# Altium PCB volt_sensor.PcbDoc (part 2 of 2)
Units mil, origin at the board's own origin, x right, y up, seen from the top; angles counter-clockwise.
Board outline 10000 x 5000 mil, 2 copper layers (Top Layer, Bottom Layer); 198 components, 109 nets, 532 pads, 65 vias.
Unrouted connection lines stored in the file: 125.
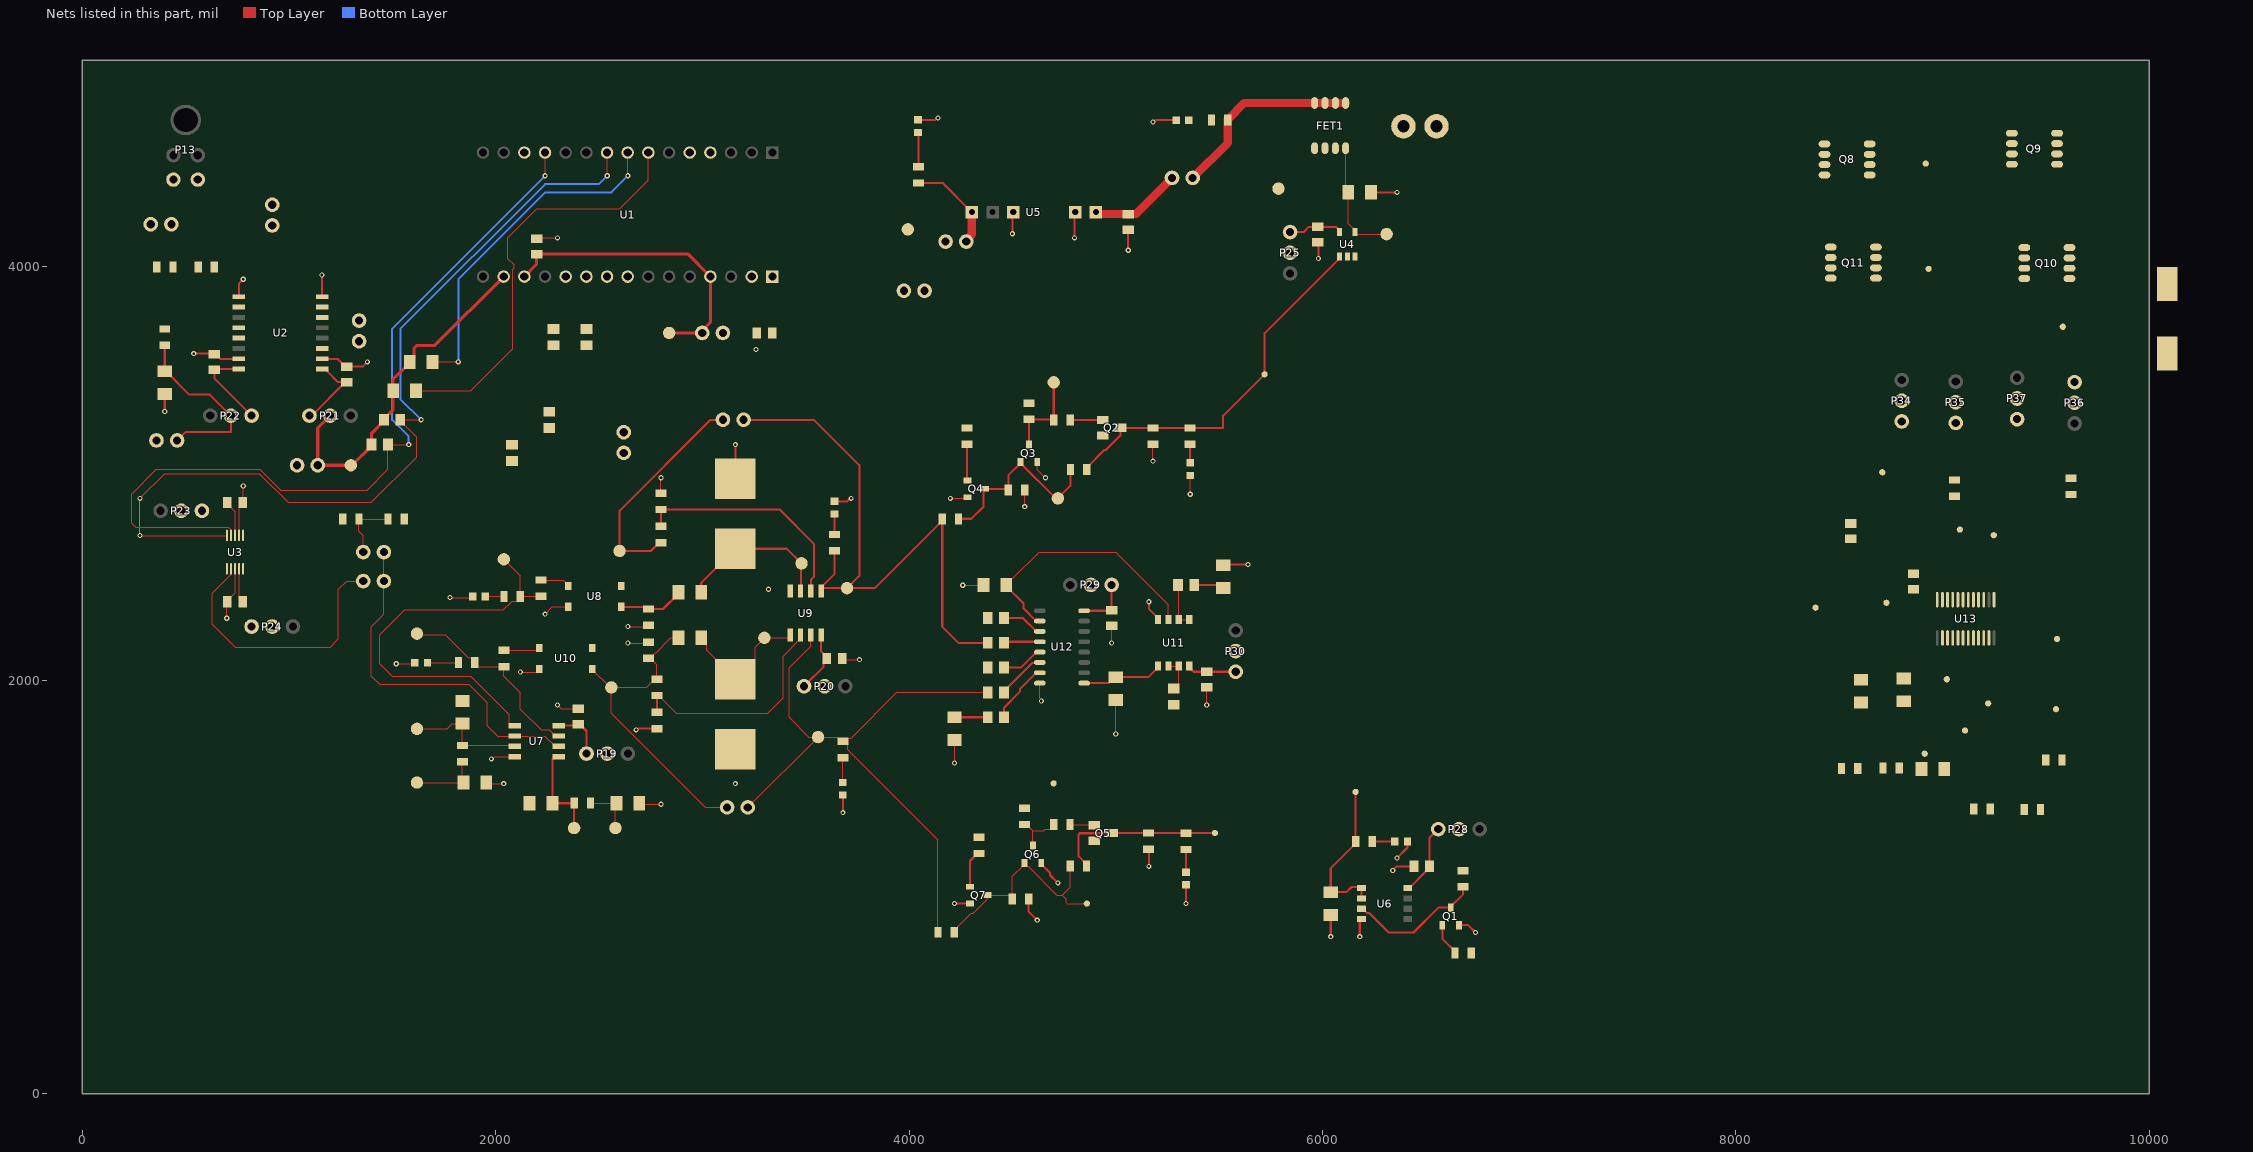
[diagram p2: the nets of this part, all layers, seen from the top]

## Part data (continued)
R37 R43 R47 R52: library part CMP-009-01343-1, "RES SMD 36K OHM 1% 1/8W 0805", Digi-Key Part Number=P36.0KCCT-ND, Manufacturer="Panasonic Electronic Components", Operating Temperature="-55°C ~ 155°C", Package / Case="0805 (2012 Metric)", Power (Watts)="0.125W, 1/8W", Supplier Device Package=0805, Temperature Coefficient=±100ppm/°C, Tolerance=1%, @ qty=1500, Composition="Thick Film", Datasheets=http://industrial.panasonic.com/www-cgi/jvcr13pz.cgi?E+PZ+3+AOA0002+ERJ6ENF3602V+7+WW, Design Item ID=ERJ-6ENF3602V, Factory Stock=0, Failure Rate=-, Features="Automotive AEC-Q200", Height - Seated (Max)="0.028\" (0.70mm)", Image=//media.digikey.com/Renders/Panasonic%20Renders/ERJ-0805%20Pkg.jpg, Minimum Quantity=1, Number of Terminations=2, Packaging="Cut Tape (CT)", Part Number=ERJ-6ENF3602V, Part Status=Active, Quantity Available=42552, Series=ERJ, Size / Dimension="0.079\" L x 0.049\" W (2.00mm x 1.25mm)", Source=resistors.SchLib, Unit Price (USD)=0.00729
R65 R70: library part ERJ-6GEYJ100V, "RES SMD 10 OHM 5% 1/8W 0805", Digi-Key Part Number=P10ACT-ND, Manufacturer="Panasonic Electronic Components", Operating Temperature="-55°C ~ 155°C", Package / Case="0805 (2012 Metric)", Power (Watts)="0.125W, 1/8W", Supplier Device Package=0805, Temperature Coefficient=±200ppm/°C, Tolerance=±5%, @ qty=1500, Composition="Thick Film", Datasheets=http://industrial.panasonic.com/www-cgi/jvcr13pz.cgi?E+PZ+3+AOA0001+ERJ6GEYJ100V+7+WW, Factory Stock=0, Failure Rate=-, Features="Automotive AEC-Q200", Height - Seated (Max)="0.028\" (0.70mm)", Image=//media.digikey.com/Renders/Panasonic%20Renders/ERJ-0805%20Pkg.jpg, Minimum Quantity=1, Number of Terminations=2, Packaging="Cut Tape (CT)", Part Number=ERJ-6GEYJ100V, Part Status=Active, Quantity Available=282033, Series=ERJ, Size / Dimension="0.079\" L x 0.049\" W (2.00mm x 1.25mm)", Unit Price (USD)=0.00496
R71 R74: library part CRCW08051M00FKEAC, "RES 1M OHM 1% 1/8W 0805", Manufacturer=Vishay, Max Operating Temperature=155°C, Min Operating Temperature=-55°C, Package Height=0.5mm, Package Length=2mm, Package Style=SMTMeter, Package Width=1.25mm, Rated Power Dissipation (P)=125mW, Resistor Type="FIXED RESISTOR", Supplier Part Number 1=541-4135-1-ND, Temperature Coefficient=-100100ppm/°C, Tolerance=1%, Working Voltage=150V, Category="Chip SMD Resistors", ComponentLink1Description=https://datasheet.ciiva.com:443/pdfs/VipMasterIC/IC/VISH/VISH-S-A0003599164/VISH-S-A0003599164-1.pdf?src-supplier=IHS+Markit, ComponentLink1URL=https://datasheet.ciiva.com:443/pdfs/VipMasterIC/IC/VISH/VISH-S-A0003599164/VISH-S-A0003599164-1.pdf?src-supplier=IHS+Markit, ComponentLink2Description=http://www.vishay.com/docs/28773/crcwce3.pdf?src-supplier=Digi-Key, ComponentLink2URL=http://www.vishay.com/docs/28773/crcwce3.pdf?src-supplier=Digi-Key, ComponentLink3Description=http://www.vishay.com/docs/20035/dcrcwe3.pdf?src-supplier=Avnet, ComponentLink3URL=http://www.vishay.com/docs/20035/dcrcwe3.pdf?src-supplier=Avnet, Construction=Chip, JESD-609 Code=e3, Manufacturer Part Number=CRCW08051M00FKEAC, Number of Pins=2, Packaging="Tape and Reel", Pricing 1="1=0.10000, 10=0.06300, 100=0.02540, 1000=0.01143, 2500=0.00992 (USD)", REACH SVHC=Yes, Resistance=1MR, RoHS=Yes, RoHS Compliant=Yes, Size Code=0805, Stock 1=15539, Supplier 1=Digi-Key, Technology="METAL GLAZE/THICK FILM", Terminal Finish=Nickel
R72: library part CRCW080537K4FKEA, "RES SMD 37.4K OHM 1% 1/8W 0805", Manufacturer=Vishay, Max Operating Temperature=155°C, Min Operating Temperature=-55°C, Package Height=0.45mm, Package Length=2mm, Package Shape=Rectangular, Package Style=SMTMeter, Package Width=1.25mm, Rated Power Dissipation (P)=125mW, Rated Temperature=70°C, Resistor Type="FIXED RESISTOR", Supplier Part Number 1=541-37.4KCCT-ND, Temperature Coefficient=100ppm/°C, Tolerance=1%, Working Voltage=150V, Category="Chip SMD Resistors", ComponentLink1Description=https://datasheet.ciiva.com:443/pdfs/VipMasterIC/IC/VISH/VISH-S-A0007266705/VISH-S-A0007266705-1.pdf?src-supplier=IHS+Markit, ComponentLink1URL=https://datasheet.ciiva.com:443/pdfs/VipMasterIC/IC/VISH/VISH-S-A0007266705/VISH-S-A0007266705-1.pdf?src-supplier=IHS+Markit, ComponentLink2Description=https://datasheet.ciiva.com/9012/dcrcwe3-9012831.pdf?src-supplier=Avnet, ComponentLink2URL=https://datasheet.ciiva.com/9012/dcrcwe3-9012831.pdf?src-supplier=Avnet, ComponentLink3Description=https://datasheet.ciiva.com/7725/66915-7725943.pdf?src-supplier=Element14, ComponentLink3URL=https://datasheet.ciiva.com/7725/66915-7725943.pdf?src-supplier=Element14, ComponentLink4Description=https://datasheet.ciiva.com/22705/1697337-22705877.pdf?src-supplier=Element14, ComponentLink4URL=https://datasheet.ciiva.com/22705/1697337-22705877.pdf?src-supplier=Element14, ComponentLink5Description=https://datasheet.ciiva.com/22674/1912744-22674621.pdf?src-supplier=Element14, ComponentLink5URL=https://datasheet.ciiva.com/22674/1912744-22674621.pdf?src-supplier=Element14, ComponentLink6Description=https://datasheet.ciiva.com/7671/1697337-7671694.pdf?src-supplier=Element14, ComponentLink6URL=https://datasheet.ciiva.com/7671/1697337-7671694.pdf?src-supplier=Element14, ComponentLink7Description=https://datasheet.ciiva.com/7671/1697337-7671695.pdf?src-supplier=Element14, ComponentLink7URL=https://datasheet.ciiva.com/7671/1697337-7671695.pdf?src-supplier=Element14, ComponentLink8Description=https://datasheet.ciiva.com/16395/dcrcwe3-16395353.pdf?src-supplier=Future+Electronics, ComponentLink8URL=https://datasheet.ciiva.com/16395/dcrcwe3-16395353.pdf?src-supplier=Future+Electronics, ComponentLink9Description=https://datasheet.ciiva.com/2525/dcrcwe3-2525821.pdf?src-supplier=Digi-Key, ComponentLink9URL=https://datasheet.ciiva.com/2525/dcrcwe3-2525821.pdf?src-supplier=Digi-Key, ComponentLink10Description=https://datasheet.ciiva.com/2525/dcrcwe3-2525822.pdf?src-supplier=Digi-Key, ComponentLink10URL=https://datasheet.ciiva.com/2525/dcrcwe3-2525822.pdf?src-supplier=Digi-Key, ComponentLink11Description=https://datasheet.ciiva.com/2525/dcrcwe3-2525823.pdf?src-supplier=Digi-Key, ComponentLink11URL=https://datasheet.ciiva.com/2525/dcrcwe3-2525823.pdf?src-supplier=Digi-Key, Construction=Chip, JESD-609 Code=e3, Manufacturer Part Number=CRCW080537K4FKEA, Mount="Surface Mount", Number of Pins=2, Packaging="Tape and Reel", Pricing 1="1=0.10000, 10=0.06700, 100=0.02710, 1000=0.01219, 2500=0.01058 (USD)", REACH SVHC=Yes, Reference Standard=AEC-Q200, Resistance=37.4kR, RoHS=Yes, RoHS Compliant=Yes, Size Code=0805, Stock 1=12211, Supplier 1=Digi-Key, Technology="METAL GLAZE/THICK FILM", Terminal Finish=Nickel, Termination=Wraparound
R73: library part ERJ-8ENF7322V, "RES SMD 73.2K OHM 1% 1/4W 1206", Digi-Key Part Number=P73.2KFCT-ND, Manufacturer="Panasonic Electronic Components", Operating Temperature="-55°C ~ 155°C", Package / Case="1206 (3216 Metric)", Power (Watts)="0.25W, 1/4W", Supplier Device Package=1206, Temperature Coefficient=±100ppm/°C, Tolerance=±1%, @ qty=1500, Composition="Thick Film", Datasheets=http://industrial.panasonic.com/www-cgi/jvcr13pz.cgi?E+PZ+3+AOA0002+ERJ8ENF7322V+7+WW, Factory Stock=0, Failure Rate=-, Features="Automotive AEC-Q200", Height - Seated (Max)="0.028\" (0.70mm)", Image=//media.digikey.com/Renders/Panasonic%20Renders/ERJ-1206%20Pkg.jpg, Minimum Quantity=1, Number of Terminations=2, Packaging="Cut Tape (CT)", Part Number=ERJ-8ENF7322V, Part Status=Active, Quantity Available=19226, Series=ERJ, Size / Dimension="0.126\" L x 0.063\" W (3.20mm x 1.60mm)", Unit Price (USD)=0.00933
R75: library part TNPW080514K2BEEA, "RES 14.2K OHM 0.1% 1/5W 0805", Manufacturer=Vishay, Max Operating Temperature=125°C, Min Operating Temperature=-55°C, Package Height=0.45mm, Package Length=2mm, Package Style=SMTMeter, Package Width=1.25mm, Rated Power Dissipation (P)=125mW, Rated Temperature=70°C, Resistor Type="FIXED RESISTOR", Supplier Part Number 1=71-TNPW080514K2BEEA, Temperature Coefficient=25ppm/°C, Tolerance=0.1%, Working Voltage=150V, Category="Chip SMD Resistors", ComponentLink1Description=https://datasheet.ciiva.com:443/pdfs/VipMasterIC/IC/VISH/VISH-S-A0002290253/VISH-S-A0002290253-1.pdf?src-supplier=IHS+Markit, ComponentLink1URL=https://datasheet.ciiva.com:443/pdfs/VipMasterIC/IC/VISH/VISH-S-A0002290253/VISH-S-A0002290253-1.pdf?src-supplier=IHS+Markit, ComponentLink2Description=http://www.mouser.com/ds/2/427/tnpw_e3-64594.pdf?src-supplier=Mouser, ComponentLink2URL=http://www.mouser.com/ds/2/427/tnpw_e3-64594.pdf?src-supplier=Mouser, ComponentLink3Description=http://www.vishay.com/docs/28758/tnpw_e3.pdf?src-supplier=Avnet, ComponentLink3URL=http://www.vishay.com/docs/28758/tnpw_e3.pdf?src-supplier=Avnet, ComponentLink4Description=http://www.vishay.com/docs/28758/tnpw_e3.pdf?src-supplier=Digi-Key, ComponentLink4URL=http://www.vishay.com/docs/28758/tnpw_e3.pdf?src-supplier=Digi-Key, ComponentLink5Description=http://www.vishay.com/docs/28758/tnpw_e3.pdf?src-supplier=Future+Electronics, ComponentLink5URL=http://www.vishay.com/docs/28758/tnpw_e3.pdf?src-supplier=Future+Electronics, Construction=Chip, Manufacturer Part Number=TNPW080514K2BEEA, Mount="Surface Mount", Number of Pins=2, Packaging="Tape and Reel", Pricing 1="1=0.75000, 10=0.54900, 50=0.54900, 100=0.35000, 1000=0.22100, 10000=0.21500 (USD)", REACH SVHC=Yes, Reference Standard=AEC-Q200, Resistance=14.2kR, RoHS=Yes, RoHS Compliant=Yes, Size Code=0805, Stock 1=1469, Supplier 1=Mouser, Technology="THIN FILM", Terminal Finish=Nickel, Termination=Wraparound
R76: library part ERJ-8ENF3301V, "RES SMD 3.3K OHM 1% 1/4W 1206", Digi-Key Part Number=P3.30KFCT-ND, Manufacturer="Panasonic Electronic Components", Operating Temperature="-55°C ~ 155°C", Package / Case="1206 (3216 Metric)", Power (Watts)="0.25W, 1/4W", Supplier Device Package=1206, Temperature Coefficient=±100ppm/°C, Tolerance=±1%, @ qty=1500, Composition="Thick Film", Datasheets=http://industrial.panasonic.com/www-cgi/jvcr13pz.cgi?E+PZ+3+AOA0002+ERJ8ENF3301V+7+WW, Factory Stock=0, Failure Rate=-, Features="Automotive AEC-Q200", Height - Seated (Max)="0.028\" (0.70mm)", Image=//media.digikey.com/Renders/Panasonic%20Renders/ERJ-1206%20Pkg.jpg, Minimum Quantity=1, Number of Terminations=2, Packaging="Cut Tape (CT)", Part Number=ERJ-8ENF3301V, Part Status=Active, Quantity Available=48879, Series=ERJ, Size / Dimension="0.126\" L x 0.063\" W (3.20mm x 1.60mm)", Unit Price (USD)=0.00933
R77: library part ERJ-8ENF2553V, "RES SMD 255K OHM 1% 1/4W 1206", Digi-Key Part Number=P255KFCT-ND, Manufacturer="Panasonic Electronic Components", Operating Temperature="-55°C ~ 155°C", Package / Case="1206 (3216 Metric)", Power (Watts)="0.25W, 1/4W", Supplier Device Package=1206, Temperature Coefficient=±100ppm/°C, Tolerance=±1%, @ qty=1500, Composition="Thick Film", Datasheets=http://industrial.panasonic.com/www-cgi/jvcr13pz.cgi?E+PZ+3+AOA0002+ERJ8ENF2553V+7+WW, Factory Stock=0, Failure Rate=-, Features="Automotive AEC-Q200", Height - Seated (Max)="0.028\" (0.70mm)", Image=//media.digikey.com/Renders/Panasonic%20Renders/ERJ-1206%20Pkg.jpg, Minimum Quantity=1, Number of Terminations=2, Packaging="Cut Tape (CT)", Part Number=ERJ-8ENF2553V, Part Status=Active, Quantity Available=49543, Series=ERJ, Size / Dimension="0.126\" L x 0.063\" W (3.20mm x 1.60mm)", Unit Price (USD)=0.00933
R78: library part ERJ-6ENF8062V, "RES SMD 80.6K OHM 1% 1/8W 0805", Digi-Key Part Number=P80.6KCCT-ND, Manufacturer="Panasonic Electronic Components", Operating Temperature="-55°C ~ 155°C", Package / Case="0805 (2012 Metric)", Power (Watts)="0.125W, 1/8W", Supplier Device Package=0805, Temperature Coefficient=±100ppm/°C, Tolerance=±1%, @ qty=1500, Composition="Thick Film", Datasheets=http://industrial.panasonic.com/www-cgi/jvcr13pz.cgi?E+PZ+3+AOA0002+ERJ6ENF8062V+7+WW, Factory Stock=0, Failure Rate=-, Features="Automotive AEC-Q200", Height - Seated (Max)="0.028\" (0.70mm)", Image=//media.digikey.com/Renders/Panasonic%20Renders/ERJ-0805%20Pkg.jpg, Minimum Quantity=1, Number of Terminations=2, Packaging="Cut Tape (CT)", Part Number=ERJ-6ENF8062V, Part Status=Active, Quantity Available=48051, Series=ERJ, Size / Dimension="0.079\" L x 0.049\" W (2.00mm x 1.25mm)", Unit Price (USD)=0.00729
TP4 TP5 TP6 TP7 TP8 TP9 TP11 TP12 TP13 TP14 TP15 TP16 TP17 TP18 TP19 TP20 TP21 TP22 TP23 TP24 TP25 TP26 TP27 TP28: library part CMP-039-000000-1, "SMD TEST POINT", Design Item ID=TP, Source=misc.SchLib
TP30 TP31 TP32 TP34 TP35 TP36 TP37 TP38 TP39 TP40 TP41 TP42 TP43 TP44: "SMD TEST POINT"
U1: library part CMP-020-000017-1, "BOARD NUCLEO STM32F303K8T6", Manufacturer=STMicroelectronics, ComponentLink1Description=http://www.farnell.com/datasheets/2064195.pdf?src-supplier=Farnell, ComponentLink1URL=http://www.farnell.com/datasheets/2064195.pdf?src-supplier=Farnell, ComponentLink2Description=http://www.st.com/content/ccc/resource/technical/document/data_brief/b1/d8/13/d4/b0/b7/4b/6e/DM00214578.pdf/files/DM00214578.pdf/jcr:content/translations/en.DM00214578.pdf?src-supplier=Digi-Key, ComponentLink2URL=http://www.st.com/content/ccc/resource/technical/document/data_brief/b1/d8/13/d4/b0/b7/4b/6e/DM00214578.pdf/files/DM00214578.pdf/jcr:content/translations/en.DM00214578.pdf?src-supplier=Digi-Key, ComponentLink3Description=http://www.farnell.com/datasheets/1966773.pdf?src-supplier=Element14, ComponentLink3URL=http://www.farnell.com/datasheets/1966773.pdf?src-supplier=Element14, ComponentLink4Description=http://www.farnell.com/datasheets/2064195.pdf?src-supplier=Newark, ComponentLink4URL=http://www.farnell.com/datasheets/2064195.pdf?src-supplier=Newark, ComponentLink5Description=http://www.st.com/st-web-ui/static/active/en/resource/technical/document/user_manual/DM00116575.pdf?s_searchtype=keyword&src-supplier=Avnet+Asia, ComponentLink5URL=http://www.st.com/st-web-ui/static/active/en/resource/technical/document/user_manual/DM00116575.pdf?s_searchtype=keyword&src-supplier=Avnet+Asia, ComponentLink6Description=http://www.st.com/st-web-ui/static/active/en/resource/technical/document/user_manual/DM00116575.pdf?s_searchtype=keyword&src-supplier=Avnet, ComponentLink6URL=http://www.st.com/st-web-ui/static/active/en/resource/technical/document/user_manual/DM00116575.pdf?s_searchtype=keyword&src-supplier=Avnet, ComponentLink7Description=http://www.farnell.com/datasheets/2064195.pdf?src-supplier=Element14, ComponentLink7URL=http://www.farnell.com/datasheets/2064195.pdf?src-supplier=Element14, Core Architecture=ARM, Design Item ID=NUCLEO-L432KC, Evaluation Kit=Yes, Lead Free="Lead Free", Manufacturer Part Number=NUCLEO-L432KC, Number of Bits=32, PartId=1, Pricing 1="1=10.99000 (USD)", Pricing 2="1=12.40000 (USD)", REACH SVHC="No SVHC", RoHS=Yes, Source=ic.SchLib, Stock 1=171, Stock 2=56
U2: library part CMP-031-00010-1, "IC TXRX/ISO HALF 1/1 16SOIC", Manufacturer="Texas Instruments", Max Operating Temperature=105°C, Min Operating Temperature=-55°C, Package Body Material=Plastic, Package Code=SOP, Package Shape=Rectangular, Package Style="SMALL OUTLINEMeter", Peak Reflow Temperature (Cel)=260°C, Supply Voltage-Nom=5V, Temperature Grade=OTHER, Category="Interface ICs", ComponentLink1Description=https://www.ti.com:443/lit/ds/symlink/iso1050.pdf?src-supplier=IHS+Markit, ComponentLink1URL=https://www.ti.com:443/lit/ds/symlink/iso1050.pdf?src-supplier=IHS+Markit, ComponentLink2Description=https://datasheet.ciiva.com/4782/slls983e-121851-4782209.pdf?src-supplier=Mouser, ComponentLink2URL=https://datasheet.ciiva.com/4782/slls983e-121851-4782209.pdf?src-supplier=Mouser, ComponentLink3Description=https://datasheet.ciiva.com/26913/getdatasheetpartid-573378-26913111.pdf?src-supplier=Verical, ComponentLink3URL=https://datasheet.ciiva.com/26913/getdatasheetpartid-573378-26913111.pdf?src-supplier=Verical, Design Item ID=ISO1050DWR, Height - Seated (Max)=2.65mm, JESD-30 Code=R-PDSO-G16, JESD-609 Code=e4, Length=10.3mm, Manufacturer Part Number=ISO1050DWR, Moisture Sensitivity Level=2, Number of Functions=1, Pins=16, Pricing 1="1=6.50000, 10=5.84000, 25=5.52000, 50=5.52000, 100=4.79000, 1000=3.56000, 10000=3.56000 (USD)", Qualification Status="Not Qualified", REACH SVHC=Yes, RoHS=Yes, RoHS Compliant=Yes, Source=ic.SchLib, Surface Mount=Yes, Telecom IC Type="INTERFACE CIRCUIT", Terminal Finish=Nickel, Terminal Form="Gull Wing", Terminal Pitch=1.27mm, Terminal Position=DUAL, Width=7.5mm
U3: library part CMP-008-000013-1, "Digital Potentiometer, 1 Func, 10000ohm, 2-wire Serial Control Interface, 128 Positions, PDSO10"
U4: library part CMP-017-000001-1, "AND Gate, 4000/14000/40000 Series, 1-Func, 2-Input, CMOS, PDSO5", Load Capacitance (CL)=50pF, Manufacturer=Rohm, Max Operating Temperature=85°C, Min Operating Temperature=-40°C, Package Body Material=Plastic, Package Code=LSSOP, Package Equivalence Code=TSOP5/6,.11,37, Package Shape=Rectangular, Package Style="SMALL OUTLINE, LOW PROFILE, SHRINK PITCHMeter", Power Supplies=3/16V, Supply Voltage-Max (Vsup)=16V, Supply Voltage-Min (Vsup)=3V, Supply Voltage-Nom (Vsup)=5V, Temperature Grade=INDUSTRIAL, Category="Logic Gates", ComponentLink1Description=https://datasheet.ciiva.com:443/pdfs/VipMasterIC/IC/ROHM/ROHM-S-A0001749750/ROHM-S-A0001749750-1.pdf?src-supplier=IHS+Markit, ComponentLink1URL=https://datasheet.ciiva.com:443/pdfs/VipMasterIC/IC/ROHM/ROHM-S-A0001749750/ROHM-S-A0001749750-1.pdf?src-supplier=IHS+Markit, ComponentLink2Description=https://datasheet.ciiva.com/12254/bu4s81g2-e-209681-12254411.pdf?src-supplier=Mouser, ComponentLink2URL=https://datasheet.ciiva.com/12254/bu4s81g2-e-209681-12254411.pdf?src-supplier=Mouser, ComponentLink3Description=https://datasheet.ciiva.com/1508/bu4s81g2-e-1508101.pdf?src-supplier=Element14, ComponentLink3URL=https://datasheet.ciiva.com/1508/bu4s81g2-e-1508101.pdf?src-supplier=Element14, ComponentLink4Description=https://datasheet.ciiva.com/1508/bu4s81g2-e-1508102.pdf?src-supplier=Element14, ComponentLink4URL=https://datasheet.ciiva.com/1508/bu4s81g2-e-1508102.pdf?src-supplier=Element14, ComponentLink5Description=https://datasheet.ciiva.com/8274/bu4s01g2-e-8274597.pdf?src-supplier=Avnet, ComponentLink5URL=https://datasheet.ciiva.com/8274/bu4s01g2-e-8274597.pdf?src-supplier=Avnet, ComponentLink6Description=https://datasheet.ciiva.com/6619/bu4s01g2-e-6619800.pdf?src-supplier=Digi-Key, ComponentLink6URL=https://datasheet.ciiva.com/6619/bu4s01g2-e-6619800.pdf?src-supplier=Digi-Key, ComponentLink7Description=https://datasheet.ciiva.com/6619/bu4s01g2-e-6619813.pdf?src-supplier=Digi-Key, ComponentLink7URL=https://datasheet.ciiva.com/6619/bu4s01g2-e-6619813.pdf?src-supplier=Digi-Key, ComponentLink8Description=https://datasheet.ciiva.com/6619/bu4s01g2-e-6619814.pdf?src-supplier=Digi-Key, ComponentLink8URL=https://datasheet.ciiva.com/6619/bu4s01g2-e-6619814.pdf?src-supplier=Digi-Key, ComponentLink9Description=https://datasheet.ciiva.com/16678/bu4s01g2-e-16678569.pdf?src-supplier=Avnet+Europe, ComponentLink9URL=https://datasheet.ciiva.com/16678/bu4s01g2-e-16678569.pdf?src-supplier=Avnet+Europe, Design Item ID=BU4S81G2-TR, Height - Seated (Max)=1.25mm, JESD-30 Code=R-PDSO-G5, Length=2.9mm, Logic IC Type="AND GATE", Manufacturer Part Number=BU4S81G2-TR, Moisture Sensitivity Level=1, Number of Functions=1, Number of Inputs=2, Number of Pins=5, Packaging="Tape and Reel", Pricing 1="1=0.90000, 10=0.79200, 25=0.74400, 100=0.60720, 250=0.56396, 500=0.47996, 1000=0.38397 (USD)", Qualification Status="Not Qualified", REACH SVHC=Yes, RoHS=Yes, RoHS Compliant=Yes, Schmitt Trigger=No, Source=ic.SchLib, Stock 1=2698, Surface Mount=Yes, Technology=CMOS, Terminal Form="Gull Wing", Terminal Pitch=0.95mm, Terminal Position=DUAL, Width=1.6mm
U5: library part CMP-008-000009-3, "DC-DC Regulated Power Supply Module, 1 Output, 1W, Hybrid"
U6 U11: library part CMP-008-000011-2, "Operational Amplifier"
U7 U9: library part CMP-014-00006-1, "IC OPAMP JFET 3MHZ 8SOIC", Case/Package=D, Dual Supply Voltage=9V, Input Bias Current=200pA, Input Offset Voltage (Vos)=10mV, Manufacturer="Texas Instruments", Max Operating Temperature=85°C, Max Supply Voltage=18V, Min Operating Temperature=-40°C, Min Supply Voltage=3.5V, Nominal Supply Current=5mA, Operating Supply Current=1.4mA, Package Quantity=1, Voltage Gain=106.02dB, Bandwidth=3MHz, Common Mode Rejection Ratio=70dB, ComponentLink1Description=http://www.ti.com/lit/ds/symlink/tl071a.pdf?src-supplier=Digi-Key, ComponentLink1URL=http://www.ti.com/lit/ds/symlink/tl071a.pdf?src-supplier=Digi-Key, ComponentLink2Description=http://www.ti.com/general/docs/lit/getliterature.tsp?genericPartNumber=TL072&&fileType=pdf&src-supplier=Avnet, ComponentLink2URL=http://www.ti.com/general/docs/lit/getliterature.tsp?genericPartNumber=TL072&&fileType=pdf&src-supplier=Avnet, ComponentLink3Description=http://www.farnell.com/datasheets/1882732.pdf?src-supplier=Element14, ComponentLink3URL=http://www.farnell.com/datasheets/1882732.pdf?src-supplier=Element14, Contact Plating=Gold, Design Item ID=TL072CDR, Gain Bandwidth Product=3MHz, Height=1.58mm, Lead Free="Lead Free", Length=4.9mm, Manufacturer Part Number=TL072CDR, Max I/O Voltage=10mV, Nominal Gain Bandwidth Product=3MHz, Number of Amplifiers=2, Number of Channels=2, Number of Circuits=2, Number of Elements=2, Packaging="Tape and Reel", PartId=1, Pins=8, Pricing 1="1=0.41, 10=0.334, 100=0.2059, 500=0.1562, 1000=0.11715 (USD)", Radiation Hardening=No, REACH SVHC="No SVHC", Slew Rate=13V/µs, Source=ic.SchLib, Stock 1=21821, Unity Gain Bandwidth Product=3MHz, Width=3.91mm
U8 U10: library part CMP-020-000001-1, "Transistor Output Optocoupler", Manufacturer=Isocom, Category=Optocouplers, ComponentLink1Description=https://datasheet.ciiva.com:443/pdfs/VipMasterIC/IC/ISCL/ISCL-S-A0004892693/ISCL-S-A0004892693-1.pdf?src-supplier=IHS+Markit, ComponentLink1URL=https://datasheet.ciiva.com:443/pdfs/VipMasterIC/IC/ISCL/ISCL-S-A0004892693/ISCL-S-A0004892693-1.pdf?src-supplier=IHS+Markit, ComponentLink2Description=https://datasheet.ciiva.com/7996/90946-7996982.pdf?src-supplier=Element14, ComponentLink2URL=https://datasheet.ciiva.com/7996/90946-7996982.pdf?src-supplier=Element14, Design Item ID=IS181D, Manufacturer Part Number=IS181D, Pricing 1="1=0.59000, 10=0.36000, 100=0.20720, 1000=0.16218 (USD)", RoHS=Yes, RoHS Compliant=Yes, Source=ic.SchLib, Stock 1=15104
U12: library part CMP-008-000015-1, "R-S Latch, 4000/14000/40000 Series, 1-Func, High Level Triggered, 4-Bit, True Output, CMOS, PDSO16"
U13: library part CMP-008-000010-2, "Power Supply Support Circuit, Adjustable, 3 Channel, CMOS, PDSO24"

## Via types
v1: diameter 25, hole 13, Top Layer to Bottom Layer, 65 vias

## Nets (pads, with @x,y where several pads share a name; then routed paths per layer and width w, separated by ;. In a path a pad name is that pad's centre, name@x,y a point inside that pad or via, vN(x,y) a via of type N, cw(c..) or ccw(c..) an arc to the next point about the centre after c; other vN are vias at no path point)
12V_RAW: FET1.1 FET1.2 FET1.3 P6.1 P20.2 P25.2 P28.2 P29.2 P30.2 Q2.2 Q5.2 R10.1 R13.1 R34.2 R40.2 R64.2 TP5.1 U8.4 U10.4
78_MC: R19.1 R24.2 TP11.1 U7.1 | length 2018.5
  Top Layer w6: TP11.1@2040,2585.37 2119.37,2506 R24.2@2119.37,2405.37 ; U7.1@2093.7,1780.37 2075.98,1780.37 2066.19,1790.17 2066.19,1833.81 1880,2020 1500,2020 1440,2080 1440,2220 1560,2340 2037.94,2340 2079.73,2381.8 2104.65,2381.8 2119.37,2396.51 R24.2@2119.37,2405.37 ; R19.1@2220,2406 2219.37,2405.37 R24.2@2119.37,2405.37
78_MC_LV: P17.1 R16.2 R21.1 R22.2 TP13.1 U8.3 | length 1411.9
  Top Layer w10: U8.3@2607.95,2355.37 2729.37,2355.37 R22.2@2740,2344.74 2810.16,2344.74 2884.88,2419.46 R21.1@2884.88,2425.37 ; R16.2@2800,2666 2791.14,2666 2750.51,2625.37 TP13.1@2600,2625.37 2600,2820 3040,3260 P17.1@3100,3260
78_MPPT: R25.2 R29.1 TP22.1 U7.7 | length 973.1
  Top Layer w6: TP22.1@1620,2225.37 1625.37,2220 1756.8,2220 1867.85,2108.94 1884.65,2108.94 1899.37,2094.23 R25.2@1899.37,2085.37 1899.37,2080.72 1914.09,2066 R29.1@2040,2066 2040,2020 2120,1940 2120,1860 2220,1760 2258.95,1760 2288.58,1730.37 U7.7@2306.3,1730.37
78_MPPT_LV: P18.1 R26.2 R31.1 R32.2 TP18.1 U10.3 | length 1542.3
  Top Layer w6: U10.3@2467.95,2055.37 2467.95,2051.43 2554.02,1965.37 TP18.1@2560,1965.37 ; R32.2@2740,2106 R32.2@2748.86,2106 ; R31.1@2884.88,2205.37 2847.34,2205.37 2805.46,2163.49 2805.46,2162.6 R32.2@2748.86,2106 ; P18.1@3120,1385.37 3014.63,1385.37 2560,1840 TP18.1@2560,1965.37 ; TP18.1@2560,1965.37 2731.77,1965.37 2771.14,2004.74 R26.2@2780,2004.74 2780,2074.86 R32.2@2748.86,2106
"(+) LV_CMP_MC": C12.1 R21.2 TP16.1 U9.3 | length 764.1
  Top Layer w10: R21.2@2995.12,2425.37 2995.12,2471.2 C12.1@3160,2636.08 3409.29,2636.08 TP16.1@3480,2565.37 3477.5,2562.87 3477.5,2434.17 U9.3@3475,2431.67
"(+) LV_CMP_MPPT": C11.1 R31.2 TP21.1 U9.5 | length 659.2
  Top Layer w6: R31.2@2995.12,2205.37 3020.66,2179.83 3020.66,2144.71 C11.1@3160,2005.37 3255.43,2100.8 3255.43,2160.8 TP21.1@3300,2205.37 3415.2,2205.37 3425,2215.17 U9.5@3425,2219.07
"(-) LV_CMP_MC": R16.1 R17.1 U9.2 | length 1124.6
  Top Layer w10: R16.1@2800,2744.74 R17.1@2800,2826 3374,2826 3540,2660 3540,2500 3525,2485 U9.2@3525,2431.67
"(-) LV_CMP_MPPT": R26.1 R27.2 U9.6 | length 1098.1
  Top Layer w6: R26.1@2780,1926 2788.86,1926 2874.86,1840 3316.49,1840 3390.84,1914.36 3390.84,2117.2 3475,2201.35 U9.6@3475,2219.07
  Top Layer w10: R27.2@2780,1844.74 R26.1@2780,1926
+Vin: C7.1 P26.1 U5.1 | length 444.5
  Top Layer w40: U5.1@4904.01,4264.38 4912.91,4255.47 5059.33,4255.47 C7.1@5060,4254.8 5060.67,4255.47 5097.47,4255.47 P26.1@5272,4430
A0_POT: R4.1 R8.2 U1.3.9 U3.5 | length 4354.6
  Top Layer w6: v1(280,2700) 699.92,2700 U3.5@700.63,2700.71 ; v1(280,2880) 400,3000 857.37,3000 997.37,2860 1400,2860 1620,3080 1620,3174.45 1539.37,3255.08 R4.1@1539.37,3260 v1(1640,3260) ; U1.3.9@2539.37,4552.6 2539.69,4552.28 2539.69,4440.31 v1(2540,4440)
  Bottom Layer w6: v1(280,2700) v1(280,2880)
  Bottom Layer w10: v1(1640,3260) 1540,3360 1540,3700 2240,4400 2500,4400 v1(2540,4440)
A1_POT: R3.1 R7.2 U1.3.12 U3.4 | length 4007.2
  Top Layer w6: U3.4@720.31,2700.71 719.58,2701.44 719.58,2729.74 708.05,2741.27 484.66,2741.27 483.39,2740 260,2740 240,2760 240,2900 360,3020 860,3020 960,2920 1378.74,2920 1479.37,3020.63 R3.1@1479.37,3140 v1(1580,3140) ; U1.3.12@2239.37,4552.6 2239.69,4552.28 2239.69,4440.31 v1(2240,4440)
  Bottom Layer w10: v1(1580,3140) 1580,3180 1500,3260 1500,3700 v1(2240,4440)
BATTERY_REF: P1.2 P2.2 U7.2 U7.6 | length 1737.1
  Top Layer w6: P1.2@1460,2620 1460,2320 1400,2260 1400,2020 1440,1980 1871.44,1980 1960,1891.44 1960,1780 2009.63,1730.37 U7.2@2093.7,1730.37 2238.58,1730.37 2288.58,1680.37 U7.6@2306.3,1680.37
BOTH_PRC_DONE: FET1.4 R9.2 TP4.1 U4.4 | length 582
  Top Layer w6: FET1.4@6112,4573.75 6112,4372.88 R9.2@6124.88,4360 6124.88,4208.45 6157.4,4175.93 U4.4@6157.4,4168.06 6157.4,4166.81 6166.21,4158 TP4.1@6310,4158
CAN_N: P13.3 P16.1 R14.2 U2.12
CAN_P: P13.4 P16.2 R12.2 U2.13
CAN_RX: P3.2 U1.3.13 U2.3
CAN_TX: P3.1 U1.3.5 U2.6
CONT_DRV_LOW: 
DCDC-12: C18.1 Q8.5 Q8.6 Q8.7 Q8.8 R71.1 TP36.1 U13.24
DCDC_IN: FET1.5 FET1.6 FET1.7 FET1.8 P26.2 R49.2 | length 956.5
  Top Layer w40: P26.2@5372,4430 5541.88,4599.88 R49.2@5541.88,4709 5541.88,4713.29 5620.84,4792.25 FET1.8@5962,4792.25 FET1.7@6012,4792.25 FET1.6@6062,4792.25 FET1.5@6112,4792.25
DCDC_OUT: P27.2 R48.2 U5.7 | length 470.9
  Top Layer w10: R48.2@4045,4405.12 4163.27,4405.12 U5.7@4304.01,4264.38
  Top Layer w40: P27.2@4277,4122 4277,4130.35 4304.01,4157.36 U5.7@4304.01,4264.38
E: R64.1 U12.5 | length 204.4
  Top Layer w10: R64.1@4459.37,2061.26 4540.98,2061.26 4615.98,2136.26 U12.5@4632.72,2136.26
HV-POS3.3V: P10.2 P21.2 P23.2 R3.2 R4.2 R5.2 R6.2 TP8.1 U1.4.14 | length 1699.5
  Top Layer w15: P21.2@1200,3280 1140,3220 P10.2@1140,3040 TP8.1@1300,3040 1305.55,3040 1400.63,3135.08 R3.2@1400.63,3140 1400.63,3195.08 1460.63,3255.08 R4.2@1460.63,3260 1460.63,3264.92 1504.88,3309.17 R6.2@1504.88,3400 1504.88,3456.95 1532.93,3485 1535.79,3485 1584.88,3534.09 R5.2@1584.88,3540 1605.93,3561.04 1605.93,3605.93 1620,3620 1706.77,3620 U1.4.14@2039.37,3952.6
HV-POS5V: C2.1 P12.2 TP9.1 U1.4.4 U1.4.13 | length 1468.9
  Top Layer w15: U1.4.13@2139.37,3952.6 2198.39,4011.61 C2.1@2198.39,4061.61 ; C2.1@2198.39,4062.6 2929.37,4062.6 U1.4.4@3039.37,3952.6 3039.37,3731.78 3000,3692.41 P12.2@3000,3680 TP9.1@2840,3680
HV_12V: C1.1 P14.2 P19.2 P24.2 P27.1 R1.2 TP6.1 U1.4.1 U3.6
HV_GND: C1.2 C2.2 C3.2 C5.2 C10.2 C14.2 LED1.2 LED3.2 LED6.2 P10.1 P12.1 P14.1 R2.2 R7.1 R8.1 R23.1 R33.1 U1.3.4 U1.4.2 U2.2 U2.7 U2.8 U3.2 U3.8 U5.5 U7.4 U8.2 U10.2 | length 2012.1
  Top Layer w6: v1(700,2300) 700,2377.4 C5.2@702.6,2380 702.6,2386.89 740,2424.29 U3.8@740,2539.29 ; U3.2@759.69,2700.71 759.69,2835.39 777.4,2853.11 C14.2@777.4,2860 780,2862.6 v1(780,2940) ; v1(1520,2080) 1604.12,2080 LED6.2@1609.49,2085.37 ; v1(1780,2400) 1884.12,2400 LED1.2@1889.49,2405.37 ; R23.1@1955.12,1505.37 1960.49,1500 v1(2040,1500) ; v1(1980,1620) 1985.14,1620 1995.51,1630.37 U7.4@2093.7,1630.37 ; v1(2120,2040) 2199.3,2040 2212.05,2052.75 U10.2@2212.05,2055.37 ; C2.2@2198.39,4136.42 2201.97,4140 v1(2300,4140) ; v1(2240,2320) 2275.37,2355.37 U8.2@2352.05,2355.37 ; v1(2300,1880) 2317.23,1862.77 C10.2@2400,1862.77 ; R33.1@2695.12,1405.37 2700.49,1400 v1(2800,1400)
  Top Layer w10: v1(1160,3960) 1160,3856.57 U2.8@1161.57,3855 ; U2.2@1161.57,3555 1235.51,3555 1273.11,3517.4 C3.2@1280,3517.4 1357.4,3517.4 v1(1380,3540) ; LED3.2@4043,4710.51 4126.45,4710.51 4135.94,4720 v1(4140,4720) ; v1(4500,4160) 4500,4260.37 U5.5@4504.01,4264.38
  other v1: 3260,3600
HV_OUT_MC: R18.2
HV_OUT_MPPT: R28.2
I2C_SCL: P15.1 R5.1 U1.3.8 U3.10 | length 1664.8
  Top Layer w6: R5.1@1695.12,3540 v1(1820,3540) ; U1.3.8@2639.37,4552.6 2639.69,4552.28 2639.69,4440.31 v1(2640,4440)
  Bottom Layer w10: v1(1820,3540) 1820,3940 2240,4360 2560,4360 v1(2640,4440)
I2C_SDA: P15.2 R6.1 U1.3.7 U3.1 | length 2032.6
  Top Layer w6: R6.1@1615.12,3400 1880,3400 2082.49,3602.49 2082.49,3987.49 2090,3995 2090,4010 2060,4040 2060,4140 2200,4280 2600,4280 2739.37,4419.37 U1.3.7@2739.37,4552.6
LATCH_OUT_MC: R60.2 U11.3 U12.2 | length 1283.2
  Top Layer w6: R60.2@4470.24,2461.26 4470.24,2467.17 4495.78,2492.71 4501.68,2492.71 4628.98,2620 5000,2620 5255,2365 U11.3@5255,2293.46
  Top Layer w10: R60.2@4470.24,2461.26 4470.24,2455.35 4553.58,2372.01 4553.58,2348.67 4615.98,2286.26 U12.2@4632.72,2286.26
LATCH_OUT_MPPT: R69.2 U11.5 U12.9 | length 395.9
  Top Layer w10: U12.9@4847.28,1986.26 4965.24,1986.26 4994.09,2015.12 R69.2@5000,2015.12 5157.76,2015.12 5205,2062.36 U11.5@5205,2069.06
LO_CONT_TELEM: R46.2 R51.2 R62.2 R67.2 R68.2 | length 160.6
  Top Layer w10: R68.2@4220,1821.26 R67.2@4380.63,1821.26
LOW_CONT_TELEM: R15.2
LV-GND: C16.2 C17.2 C18.2 R73.1 R76.1 R77.1 R78.1 U13.8 U13.9 U13.13 U13.16 U13.17 U13.22
LV_GND: C4.2 C6.1 C7.2 C8.2 C9.2 C11.2 C12.2 C13.2 C15.1 LED2.2 LED4.2 LED5.2 LED7.2 LED8.2 LED9.2 P6.2 P9.1 Q1.2 Q3.2 Q4.2 Q6.2 Q7.2 R9.1 R11.2 R17.2 R22.1 R27.1 R32.1 R37.1 R43.1 R47.1 R52.1 R57.1 R58.1 R60.1 R68.1 R69.1 U2.9 U2.10 U2.15 U4.3 U5.2 U6.4 U9.4 U11.4 U12.8 | length 4056.7
  Top Layer w6: v1(2640,2180) 2735.26,2180 R32.1@2740,2184.74 ; v1(2640,2260) 2734,2260 R22.1@2740,2266 ; R17.2@2800,2904.74 v1(2800,2980) ; C8.2@3677.4,2105.37 3682.77,2100 v1(3760,2100) ; v1(4200,2880) 4276.97,2880 Q4.2@4282.68,2885.71 ; v1(4220,1600) R68.1@4220,1711.02 ; v1(4260,2460) 4358.74,2460 R60.1@4360,2461.26 ; R37.1@4559.37,2921.26 4560,2920.63 v1(4560,2840) ; Q3.2@4620.55,3056.61 4620.55,3019.45 v1(4660,2980) ; U12.8@4632.72,1986.26 4632.72,1912.42 4640,1905.14 v1(4640,1900) ; v1(4980,2180) C13.2@4980,2263.86 C13.2@4983.86,2260 ; R69.1@4997.63,1902.51 R69.1@5000,1904.88 v1(5000,1740) ; v1(5180,3060) R52.1@5180,3141.26 ; v1(5360,2900) LED9.2@5360,2990.75 ; v1(5440,1880) C15.1@5440,1966.46
  Top Layer w10: v1(400,3300) R11.2@400,3384.88 ; v1(540,3580) 637.4,3580 C4.2@640,3577.4 646.89,3577.4 669.29,3555 U2.15@758.43,3555 ; U2.9@758.43,3855 758.43,3918.43 v1(780,3940) ; v1(2680,1760) 2684.06,1760 2690.06,1766 R27.1@2780,1766 ; C12.2@3160,2974.66 v1(3160,3140) ; LED7.2@3640,2865.37 3701.31,2865.37 3715.94,2880 v1(3720,2880) ; v1(3680,1360) LED8.2@3680,1444.98 ; v1(4220,920) 4220.35,920.35 4294.37,920.35 Q7.2@4294.72,920.71 ; R43.1@4578.74,941.26 4578.74,881.26 v1(4620,840) ; Q6.2@4639.92,1116.61 4639.92,1110.71 4681.9,1068.73 4681.9,1058.1 v1(4720,1020) ; v1(4800,4140) 4800,4260.37 U5.2@4804.01,4264.38 ; v1(5060,4080) C7.2@5060,4180 ; R47.1@5159.37,1182.52 5160,1181.89 v1(5160,1100) ; v1(5160,2380) 5160,2345.16 5205,2300.16 U11.4@5205,2293.46 ; v1(5180,4700) 5184.06,4700 5193.06,4709 LED4.2@5292,4709 ; LED2.2@5339.37,1010.75 5340,1010.12 v1(5340,920) ; R58.1@5520,2556.38 5523.62,2560 v1(5640,2560) ; C6.1@5977,4118.6 5980,4115.6 v1(5980,4040) ; v1(6040,760) R57.1@6040,864.88 ; v1(6180,760) 6180,837.2 U6.4@6187.8,845 ; R9.1@6235.12,4360 v1(6360,4360) ; v1(6340,1080) 6360,1100 C9.2@6442.6,1100 ; v1(6360,1140) 6411.14,1191.14 LED5.2@6411.14,1220 ; Q1.2@6660.55,815.35 6704.65,815.35 v1(6740,780)
  other v1: 3160,1500 3320,2440
MAN_REF: P1.1 R1.1 R2.1 | length 309.2
  Top Layer w6: P1.1@1360,2620 1360,2700 1339.37,2720.63 R2.1@1339.37,2780 R1.1@1480,2780
MPS_CLOSE_MC: Q2.3 R38.1 R39.2 R52.2 R58.2 R59.2 TP25.1 U4.1 | length 1979.2
  Top Layer w10: R38.1@4859.37,3020 4859.37,3028.86 4944.59,3114.07 4950.81,3114.07 5023.31,3186.57 Q2.3@5023.31,3221.26 5178.74,3221.26 R52.2@5180,3220 5180.63,3220.63 R39.2@5360,3220.63 5519.37,3220.63 5519.37,3279.37 TP25.1@5720,3480 5720,3679.47 6082.6,4042.07 U4.1@6082.6,4049.94 ; R59.2@5379.37,2461.26 5504.88,2461.26 R58.2@5520,2446.14
MPS_CLOSE_MPPT: Q5.3 R44.1 R45.2 R47.2 R61.1 TP28.1 U4.2 | length 831.5
  Top Layer w10: R44.1@4858.11,1101.26 4858.11,1110.12 4820,1148.23 4820,1254.14 4825.86,1260 4981.42,1260 Q5.3@4982.68,1261.26 R47.2@5159.37,1261.26 5338.74,1261.26 R45.2@5339.37,1260.63 5340,1261.26 TP28.1@5479.37,1261.26
MPS_EN: R50.2 R57.2 TP7.1 U6.1 U6.2 | length 745.8
  Top Layer w10: TP7.1@6160,1460 6160,1221.26 R50.2@6161.26,1220 6161.26,1211.14 6040,1089.88 R57.2@6040,975.12 6115.12,975.12 6140,1000 6182.8,1000 U6.1@6187.8,995 U6.2@6187.8,945
NetC3_1: C3.1 P21.3 U2.1 | length 387.2
  Top Layer w10: P21.3@1100,3280 1110.51,3280 C3.1@1273.11,3442.6 ; U2.1@1161.57,3505 1179.29,3505 1186.1,3498.19 1186.1,3493.94 1237.44,3442.6 C3.1@1273.11,3442.6 ; C3.1@1280,3442.6 C3.1@1273.11,3442.6
NetC4_1: C4.1 P22.3 U2.16 | length 416.6
  Top Layer w10: U2.16@758.43,3505 642.4,3505 C4.1@640,3502.6 640,3460 P22.3@820,3280
NetC5_1: C5.1 P24.1 U3.9 | length 166.6
  Top Layer w6: U3.9@759.69,2539.29 759.69,2404.61 777.4,2386.89 C5.1@777.4,2380
NetC6_2: C6.2 P25.3 U4.5 | length 265.2
  Top Layer w10: P25.3@5843,4168 5908,4168 5933.4,4193.4 C6.2@5977,4193.4 6065.13,4193.4 6082.6,4175.93 U4.5@6082.6,4168.06
NetC8_1: C8.1 P20.3 U9.8 | length 304.9
  Top Layer w10: P20.3@3492,1971.37 3586.93,2066.3 3586.93,2089.7 C8.1@3602.6,2105.37 3602.6,2112.26 3575,2139.86 U9.8@3575,2219.07
NetC9_1: C9.1 P28.3 U6.8 | length 350.4
  Top Layer w10: U6.8@6412.2,995 6418.9,995 6501.34,1077.44 6501.73,1077.44 6517.4,1093.11 C9.1@6517.4,1100 6517.4,1237.4 P28.3@6560,1280
NetC10_1: C10.1 P19.3 U7.8 | length 260.1
  Top Layer w10: U7.8@2306.3,1780.37 2392.4,1780.37 C10.1@2400,1787.97 2406.89,1787.97 2440,1754.86 P19.3@2440,1645.37
NetC13_1: C13.1 P29.3 U12.16 | length 256.3
  Top Layer w6: C13.1@4977.6,2336.26 C13.1@4980,2338.66
  Top Layer w10: U12.16@4847.28,2336.26 C13.1@4977.6,2336.26 ; C13.1@4980,2338.66 P29.3@4980,2461.26
NetC14_1: C14.1 P23.3 U3.3 | length 174.8
  Top Layer w6: C14.1@702.6,2860 702.6,2853.11 740,2815.71 U3.3@740,2700.71
NetC15_2: C15.2 P30.3 U11.8 | length 240.4
  Top Layer w10: U11.8@5355,2069.06 5355,2062.36 5376.1,2041.26 C15.2@5440,2041.26 P30.3@5580,2041.26
NetLED1_1: LED1.1 R24.1 | length 90.1
  Top Layer w6: LED1.1@1950.51,2405.37 R24.1@2040.63,2405.37
NetLED2_1: LED2.1 R45.1 | length 110.1
  Top Layer w10: LED2.1@5339.37,1071.77 R45.1@5339.37,1181.89
NetLED3_1: LED3.1 R48.1 | length 166.5
  Top Layer w10: LED3.1@4043,4649.49 4045,4647.49 R48.1@4045,4483.86
NetLED4_1: LED4.1 R49.1
NetLED5_1: LED5.1 R50.1 | length 110.1
  Top Layer w10: R50.1@6240,1220 LED5.1@6350.12,1220
NetLED6_1: LED6.1 R25.1 | length 150.1
  Top Layer w6: LED6.1@1670.51,2085.37 R25.1@1820.63,2085.37
NetLED7_1: LED7.1 R54.1 | length 99.6
  Top Layer w10: R54.1@3640,2704.74 LED7.1@3640,2804.35
NetLED8_1: LED8.1 R53.1 | length 120
  Top Layer w6: LED8.1@3680,1506 R53.1@3680,1626
NetLED9_1: LED9.1 R39.1 | length 90.1
  Top Layer w10: LED9.1@5360,3051.77 R39.1@5360,3141.89
NetP11_1: P11.1 R14.1
NetP11_2: P11.2 R12.1
NetP34_2: P34.2 U13.21
NetP34_3: P34.3 Q8.1 Q8.2 Q8.3 Q9.1 Q9.2 Q9.3 TP30.1
NetP35_2: P35.2 Q8.4 Q9.4
NetP35_3: P35.3 R65.2
NetP36_2: P36.2 R70.2
NetP36_3: P36.3 Q10.4 Q11.4
NetP37_2: P37.2 Q10.1 Q10.2 Q10.3 Q11.1 Q11.2 Q11.3 TP32.1
NetP37_3: P37.3 U13.19
NetQ1_1: Q1.1 R15.1 | length 160.7
  Top Layer w10: Q1.1@6579.45,815.35 6579.45,750.04 6640.63,688.86 R15.1@6640.63,680
NetQ1_3: Q1.3 R13.2 U6.3 | length 655
  Top Layer w10: U6.3@6187.8,895 6194.49,895 6214.53,874.96 6225.04,874.96 6320,780 6440,780 6560,900 Q1.3@6620,900 6620,905.91 6680,965.91 R13.2@6680,1000.63
NetQ2_1: Q2.1 R35.1 | length 157.9
  Top Layer w10: R35.1@4779.37,3260 4935.35,3260 Q2.1@4936.69,3258.66
NetQ3_1: Q3.1 Q4.3 R36.2 R37.2 R38.2 TP23.1 | length 925.7
  Top Layer w10: R36.2@4239.37,2781.26 4301.26,2781.26 4360,2840 4360,2918.94 Q4.3@4367.32,2926.26 4475.63,2926.26 R37.2@4480.63,2921.26 4480.63,2991.89 Q3.1@4539.45,3050.71 ; Q3.1@4539.45,3056.61 Q3.1@4539.45,3050.71 ; R38.2@4780.63,3020 4780.63,2940.63 TP23.1@4720,2880 4710.16,2880 Q3.1@4539.45,3050.71
NetQ3_3: Q3.3 R34.1 R35.2 TP24.1 | length 422.7
  Top Layer w10: Q3.3@4580,3141.26 R34.1@4580,3261.89 4698.74,3261.89 R35.2@4700,3260.63 ; TP24.1@4700,3441.26 R35.2@4700,3260.63 ; R35.2@4700.63,3260 R35.2@4700,3260.63
NetQ4_1: Q4.1 R51.1 | length 176.2
  Top Layer w10: R51.1@4280,3141.89 4280,2969.49 Q4.1@4282.68,2966.81
NetQ5_1: Q5.1 R41.1 | length 118.4
  Top Layer w6: R41.1@4778.74,1301.26 4893.46,1301.26 Q5.1@4896.06,1298.66
NetQ6_1: Q6.1 Q7.3 R42.2 R43.2 R44.2 TP26.1 | length 1125.6
  Top Layer w6: R42.2@4218.74,781.26 4218.74,790.12 4301.98,873.36 4310.84,873.36 4379.37,941.89 Q7.3@4379.37,961.26 4485.28,961.26 R43.2@4500,946.54 ; R43.2@4500,941.26 R43.2@4500,946.54 ; Q6.1@4558.82,1116.61 Q6.1@4558.82,1110.71 ; R44.2@4779.37,1101.26 4779.37,999.37 4740,960 ; TP26.1@4860,920 4763.51,920 4760,923.51 4760,940 4740,960 ; R43.2@4500,946.54 4500,1051.89 Q6.1@4558.82,1110.71 ; Q6.1@4558.82,1110.71 4569.6,1099.93 4575.5,1099.93 4715.43,960 4740,960
NetQ6_3: Q6.3 R40.1 R41.2 TP27.1 | length 239.9
  Top Layer w6: R40.1@4559.37,1302.52 4568.23,1302.52 4599.37,1271.38 ; Q6.3@4599.37,1201.26 4599.37,1271.38 ; R41.2@4700,1301.26 4700,1294.72 4685.28,1280 4660,1280 4651.38,1271.38 4599.37,1271.38
NetQ7_1: Q7.1 R46.1 | length 183.8
  Top Layer w10: Q7.1@4294.72,1001.81 4294.72,1126.1 4330.51,1161.89 R46.1@4339.37,1161.89
NetR55_2: R55.2 U1.4.10
NetR56_2: R56.2 U1.4.11
NetR65_1: R65.1 TP34.1 U13.20
NetR70_1: R70.1 TP35.1 U13.18
NetR71_2: R71.2 R72.2 TP37.1 U13.4
NetR72_1: R72.1 R73.2 TP39.1 U13.5
NetR74_2: R74.2 R75.2 TP41.1 U13.6
NetR75_1: R75.1 R78.2 TP43.1 U13.7
NetR77_2: R77.2 TP44.1 U13.3
OPTO_IN_MC: R19.2 U8.1 | length 146.5
  Top Layer w6: R19.2@2220,2484.74 2326.61,2484.74 2352.05,2459.31 U8.1@2352.05,2455.37
OPTO_IN_MPPT: R29.2 U10.1 | length 176.5
  Top Layer w6: R29.2@2040,2144.74 2201.42,2144.74 U10.1@2212.05,2155.37
OUT1: R59.1 U11.1 U11.2 | length 219.6
  Top Layer w6: R59.1@5300.63,2461.26 5305,2456.89 U11.2@5305,2293.46 U11.1@5355,2293.46
OUT2: R61.2 U11.6 U11.7 | length 171.3
  Top Layer w6: U11.6@5255,2069.06 U11.7@5305,2069.06 5305,1981.25 5284.38,1960.63 R61.2@5280,1960.63
PPC-DCDC-TELEM: TP38.1 U13.10
PPC-SUPPL-TELEM: TP42.1 U13.11
PRC_END_MC: P17.2 R36.1 R54.2 R63.2 TP14.1 U9.1 | length 2990.4
  Top Layer w10: P17.2@3200,3260 3540,3260 3760,3040 3760,2505.37 TP14.1@3700,2445.37 ; U9.1@3575,2431.67 U9.1@3575,2437.57 ; R54.2@3640,2626 3640,2514.39 3575,2449.39 U9.1@3575,2437.57 ; R36.1@4160.63,2781.26 R36.1@4160.63,2772.4 ; R63.2@4380.63,2181.26 4238.74,2181.26 4160.63,2259.37 R36.1@4160.63,2772.4 ; U9.1@3575,2437.57 3582.8,2445.37 TP14.1@3700,2445.37 ; TP14.1@3700,2445.37 3833.6,2445.37 R36.1@4160.63,2772.4
PRC_END_MPPT: P18.2 R42.1 R53.2 R66.2 TP19.1 U9.7 | length 3148.9
  Top Layer w6: P18.2@3220,1385.37 TP19.1@3560,1725.37 ; U9.7@3525,2219.07 3525,2165 3420,2060 3420,1820 3514.63,1725.37 TP19.1@3560,1725.37 ; R42.1@4140,781.26 4140,1228.68 3703.57,1665.1 3703.57,1690.02 3688.86,1704.74 R53.2@3680,1704.74 ; R66.2@4380.63,1941.26 3941.26,1941.26 3719.46,1719.46 3694.72,1719.46 R53.2@3680,1704.74 ; TP19.1@3560,1725.37 3650.51,1725.37 3671.14,1704.74 R53.2@3680,1704.74
R0: R62.1 U12.3 | length 200.3
  Top Layer w10: R62.1@4459.37,2301.26 4550.98,2301.26 4615.98,2236.26 U12.3@4632.72,2236.26
R1: R67.1 U12.7 | length 296.6
  Top Layer w10: R67.1@4459.37,1821.26 4459.37,1867.88 4536.37,1944.89 4536.37,1956.65 4615.98,2036.26 U12.7@4632.72,2036.26
S0: R63.1 U12.4 | length 175.4
  Top Layer w10: R63.1@4459.37,2181.26 4464.37,2186.26 U12.4@4632.72,2186.26
S1: R66.1 U12.6 | length 236.3
  Top Layer w10: R66.1@4459.37,1941.26 4459.37,1946.18 4596.84,2083.65 4630.11,2083.65 U12.6@4632.72,2086.26
SUPPL-12V: C17.1 Q11.5 Q11.6 Q11.7 Q11.8 R74.1 R76.2 TP40.1 U13.2 U13.23
THRES_MC: R18.1 R20.2 R56.1 TP12.1 U7.3 | length 591.3
  Top Layer w6: TP12.1@1620,1765.37 1765.37,1765.37 1790.25,1790.25 R18.1@1840,1790.25 R20.2@1840,1684.74 2089.33,1684.74 U7.3@2093.7,1680.37
THRES_MPPT: R28.1 R30.2 R55.1 TP17.1 U7.5 | length 474.1
  Top Layer w10: U7.5@2306.3,1630.37 2288.58,1630.37 2275.12,1616.91 R28.1@2275.12,1405.37 R30.2@2380.63,1405.37 2380,1404.74 TP17.1@2380,1285.37
V-POS5V: P9.2 P22.2 R10.2 R11.1 | length 891.2
  Top Layer w10: R10.2@400,3620.63 R11.1@400,3495.12 405.91,3495.12 519.41,3381.61 618.39,3381.61 P22.2@720,3280 720,3200 500,3200 P9.2@460,3160
V-Raw12V: C16.1 Q9.5 Q9.6 Q9.7 Q9.8 Q10.5 Q10.6 Q10.7 Q10.8 TP31.1 U13.15
VOLT_SENSE_MC: R20.1 R23.2 TP15.1 U1.4.9 | length 327.5
  Top Layer w6: TP15.1@1620,1505.37 R23.2@1844.88,1505.37 1840,1510.25 R20.1@1840,1606
VOLT_SENSE_MPPT: R30.1 R33.2 TP20.1 U1.4.8 | length 247.5
  Top Layer w6: R30.1@2459.37,1405.37 R33.2@2584.88,1405.37 2580,1400.49 TP20.1@2580,1285.37
WIPER: P2.1 U3.7 | length 1356
  Top Layer w6: U3.7@720.31,2539.29 719.58,2538.56 719.58,2510.26 629.32,2420 629.32,2270.68 740,2160 1200,2160 1240,2200 1240,2440 1280,2480 P2.1@1360,2480
pads on no net: P13.1 P13.2 P13.5 P19.1 P20.1 P21.1 P22.1 P23.1 P24.3 P25.1 P28.1 P29.1 P30.1 P34.1 P35.1 P36.1 P37.1 U1.3.1 U1.3.2 U1.3.3 U1.3.6 U1.3.10 U1.3.11 U1.3.14 U1.3.15 U1.4.3 U1.4.5 U1.4.6 U1.4.7 U1.4.12 U1.4.15 U2.4 U2.5 U2.11 U2.14 U5.6 U6.5 U6.6 U6.7 U12.1 U12.10 U12.11 U12.12 U12.13 U12.14 U12.15 U13.1 U13.12 U13.14

## Polygon pours and split planes (outlines as drawn)
HV_GND on Bottom Layer "HV_GND" (solid, pour order 0): 0,0 0,3180 280,3180 520,2940 840,2940 940,3040 940,3940 1140,4140 1140,4660 1240,4760 4460,4760 4600,4620 4600,3900 4320,3900 3820,3400 2560,3400 2440,3280 2440,2300 2320,2180 2320,2000 2840,1480 2840,0
LV_GND on Bottom Layer "LV_GND" (solid, pour order 2): 0,5000 0,3240 300,3240 540,3000 820,3000 880,3060 880,4000 1060,4180 1060,4660 1220,4820 4480,4820 4660,4640 4660,3840 4340,3840 3840,3340 2600,3340 2500,3240 2500,2260 2380,2140 2380,2020 2900,1500 2900,0 10000,0 10000,5000
12V_RAW on Top Layer "12V_RAW" (solid, pour order 3): 2900,0 2900,1500 2380,2020 2380,2140 2500,2260 2500,3240 2600,3340 3840,3340 4340,3840 4660,3840 4660,4640 4480,4820 1220,4820 1060,4660 1060,4180 880,4000 880,3060 820,3000 540,3000 300,3240 0,3240 0,5000 7020,5000 7020,0
HV_12V on Top Layer "HV_12V" (solid, pour order 4): 0,0 0,3180 280,3180 520,2940 840,2940 940,3040 940,3940 1140,4140 1140,4660 1240,4760 4460,4760 4600,4620 4600,3900 4320,3900 3820,3400 2560,3400 2440,3280 2440,2300 2320,2180 2320,2000 2840,1480 2840,0

## Silkscreen, mask and mechanical layers (free items; w line width, h text height)
Top Overlay:
  text "12V" at 6451.51,4968 h60 r180
  text "GND" at 6701.51,4964 h60 r180

## Dimensions
0,5000 to 10000,5000 on Dimensions
0,0 to 0,5000 on Dimensions

## Text inside footprints (layer, text, board x,y; h text height)
U1: Top Overlay "USB" at 3574.37,4297.6 h60 r270